# Altium PCB miniBackplane.PcbDoc (part 2 of 24)
Units mil, origin at the board's own origin, x right, y up, seen from the top; angles counter-clockwise.
Board outline 17285.63 x 8582.68 mil, 6 copper layers (Top Layer, Mid-Layer 1, GND, PWR, Mid-Layer 2, Bottom Layer), stack 62.362 mil thick; 519 components, 474 nets, 2434 pads, 1493 vias.
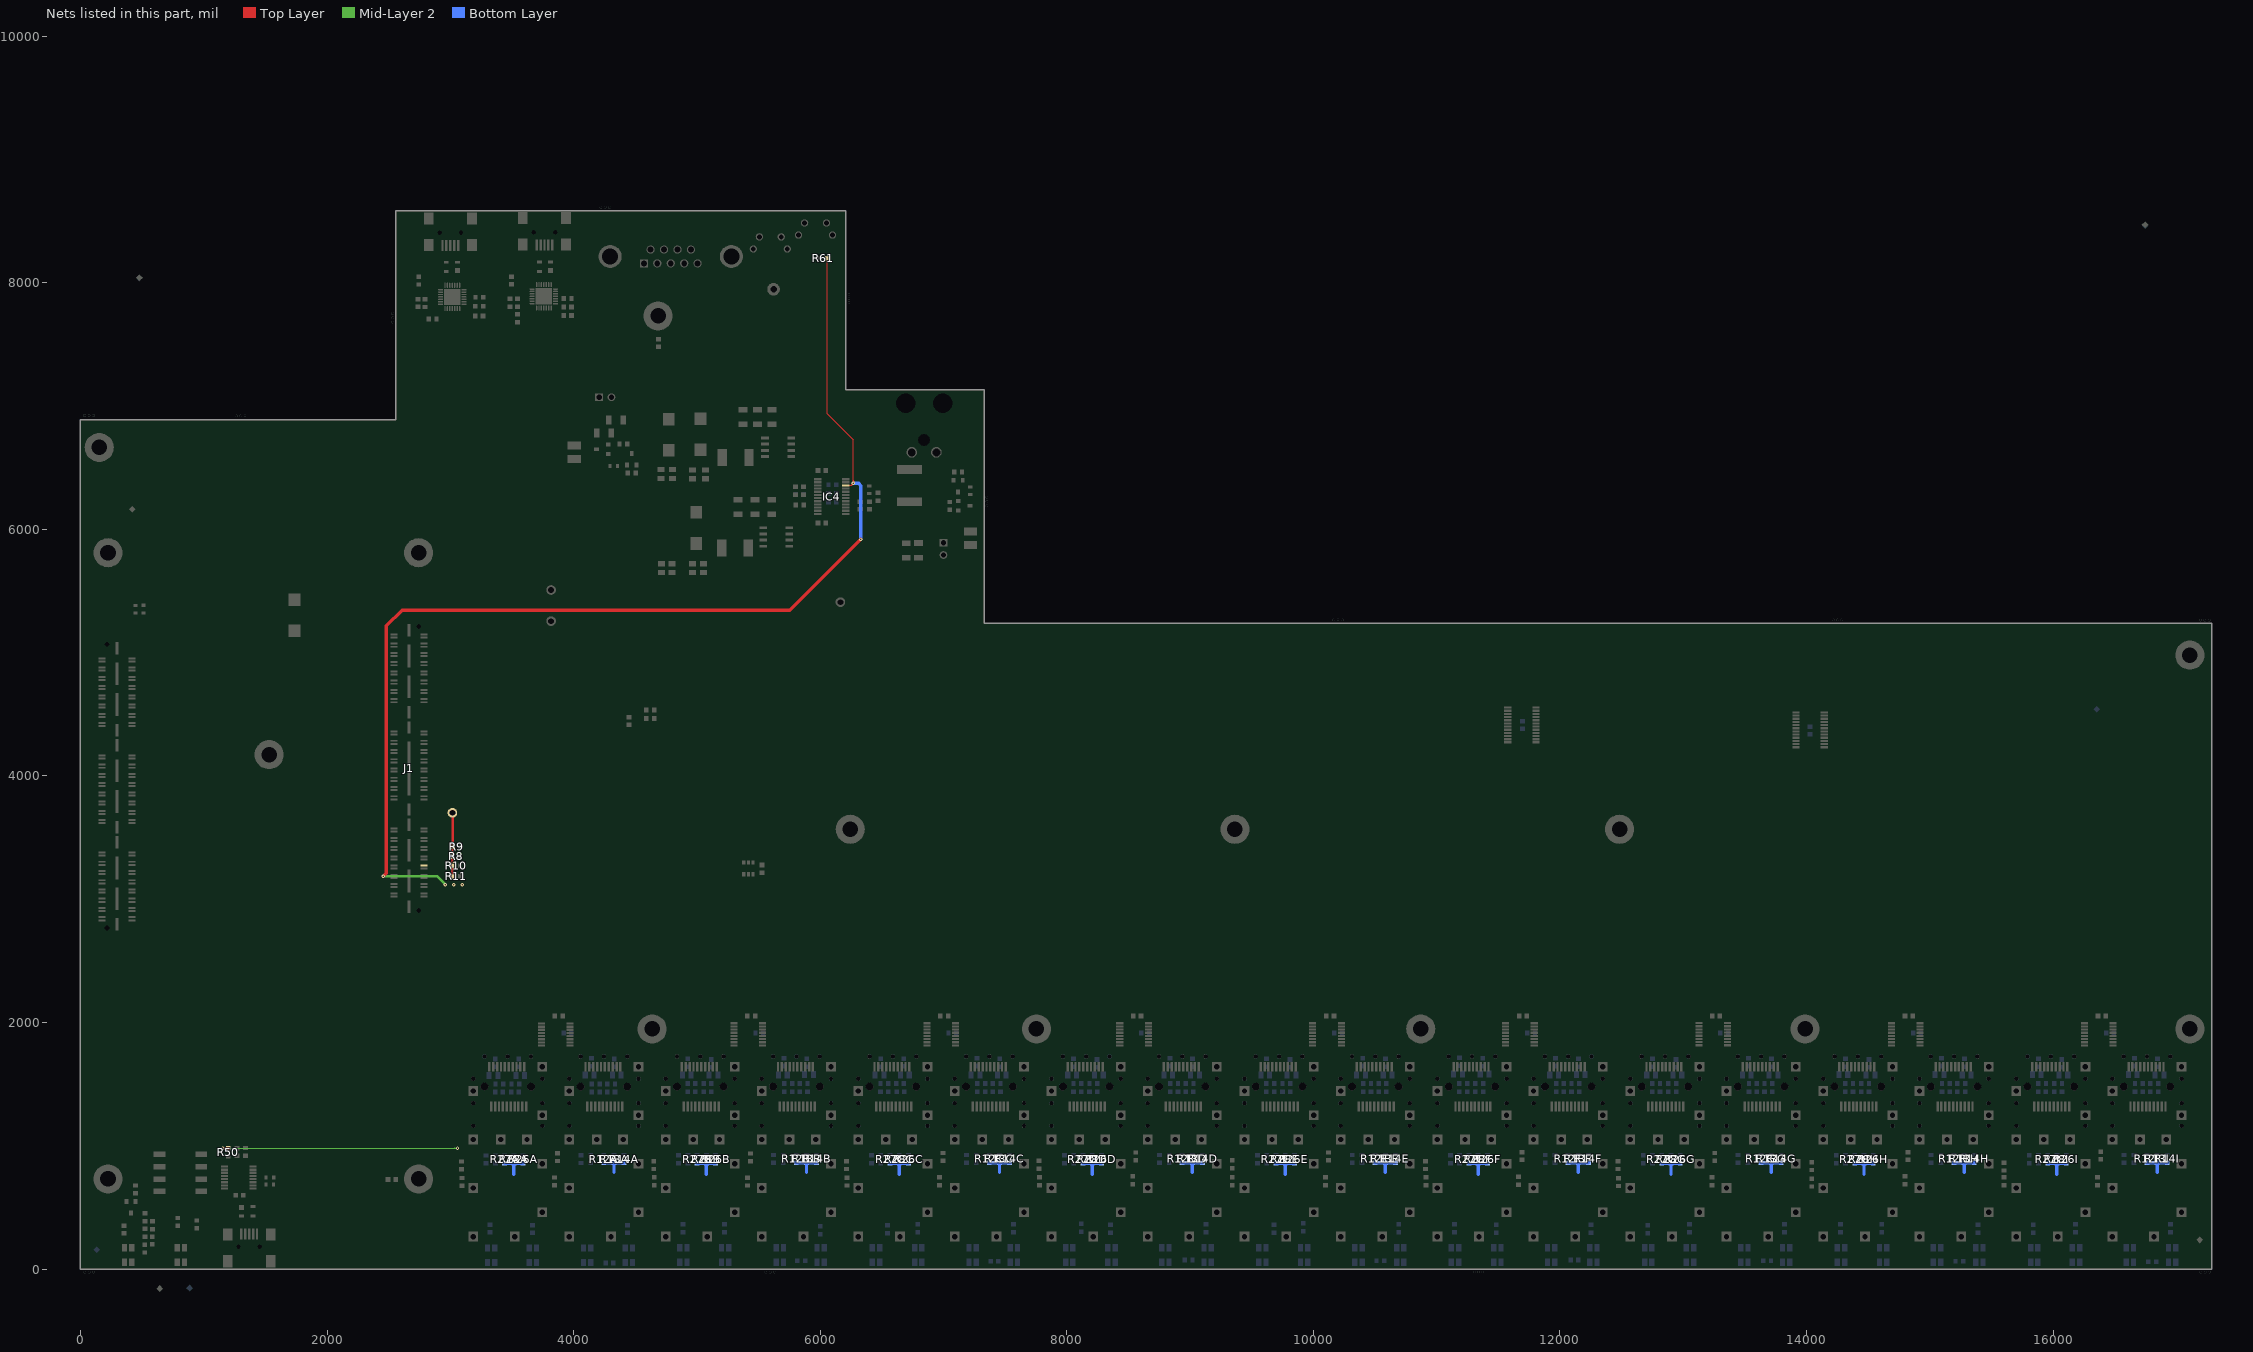
[diagram p6: the nets of this part, all layers, seen from the top]

## Components (designator, comment, footprint, x,y, rotation, side; value= is the part's Value field where it differs from the comment) (continued)
R66 "0R" 0603#2 1537,743 r0 top
R67 "0R" 0603#2 1536,686 r0 top
R68 "0R" 0603#2 446,5352 r270 top
R69 "0R" 0603#2 511,5353 r270 top
S1 "219-4MST" NHDS-8 980,630 r180 top
S2 "MCDTSA6-5K" MCDTSA6 6051,8485 r180 top locked
S3 "MCDTSA6-2R" MCDTSA6 5684,8372 r180 top locked
T1 "IRF9910Pbf" SOIC127P600X175-8N 5644.2,5937.87 r180 top
T2 "IRF9910Pbf" SOIC127P600X175-8N 5658.83,6665.94 r180 top
U1 "PCA9554PW" SOP65P640X120-16N 1285,742 r0 top
U3A "PCA9554PW" SOP65P640X120-16N 3854.67,1901.96 r0 top (schematic designator U3)
U3B "PCA9554PW" SOP65P640X120-16N 5416.13,1903.61 r0 top (schematic designator U3)
U3C "PCA9554PW" SOP65P640X120-16N 6981.13,1903.62 r0 top (schematic designator U3)
U3D "PCA9554PW" SOP65P640X120-16N 8546.13,1903.62 r0 top (schematic designator U3)
U3E "PCA9554PW" SOP65P640X120-16N 10111.13,1903.62 r0 top (schematic designator U3)
U3F "PCA9554PW" SOP65P640X120-16N 11675.69,1903.62 r0 top (schematic designator U3)
U3G "PCA9554PW" SOP65P640X120-16N 13244.07,1905.52 r0 top (schematic designator U3)
U3H "PCA9554PW" SOP65P640X120-16N 14805.69,1903.62 r0 top (schematic designator U3)
U3I "PCA9554PW" SOP65P640X120-16N 16370.69,1903.62 r0 top (schematic designator U3)

## Footprints (in the part's own frame and the unit in brackets; to place one, negate y for a bottom-side part, rotate by r counter-clockwise, add the part's x,y. Pads: shape width x height; smd on the part's side, far side on the other; paste and mask are expansions set on the pad)
0603#1 [mm] "Chip Resistor, EIA 0603, Metric 1608, Body 1.6x0.8mm, IPC Medium Density"
  rect 0.9x1 smd: 1(-0.8,0) 2(0.8,0)
  silkscreen extent 0,-0.5 0,0.5, body extent -0.87,-0.47 0.88,0.48, height 0.55
0603#2 [mm]
  rect 0.65x0.85 smd: 1(-0.775,0) 2(0.775,0)
  silkscreen extent -1.3,-0.61 1.27,0.61, body extent -0.87,-0.47 0.88,0.48, height 0.55
CC1608-0603 [mm] "Chip Capacitor, Body 1.6x0.8mm IPC Medium Density"
  rect 0.95x1 smd: 1(-0.8,0) 2(0.8,0)
  silkscreen extent 0,-0.5 0,0.5, body extent -0.87,-0.48 0.87,0.48, height 0.87
CC2012-0805 [mm] "Chip Capacitor, Body 2.0x1.25mm, IPC Medium Density"
  rect 1.05x1.4 smd: 1(-0.9,0) 2(0.9,0)
  silkscreen extent 0,-0.7 0,0.7, body extent -1.05,-0.67 1.05,0.68, height 1.25
CC3216-1206 [mm] "Chip Capacitor, Body 3.2x1.6mm, IPC Medium Density"
  rect 1.15x1.8 smd: 1(-1.5,0) 2(1.5,0)
  silkscreen extent -0.5,-0.9 0.5,0.9, body extent -1.7,-0.9 1.7,0.9, height 1.4
CR3225-1210 [mm]
  rect 1.6x2.7 smd: 1(-1.4,0) 2(1.4,0)
  silkscreen extent -2.6,-1.75 2.6,1.75
D [mm] "Capacitor, SM Tantalum; Body 7.3 x 4.3 mm (LxW typ)"
  rect 2.6x2.4 smd: 1(3.2,0) 2(-3.2,0)
  silkscreen extent -3.8,-2.42 4.57,2.3
DO-214AB/SMB-MCC [mil] "Diode footprint"
  rect 70.08x200 smd: 1(130,0) 2(-130,0)
  silkscreen extent -123,-122 122,122
DSUB1.385-2H9 [mm] "Connector; D Subminiature; 9 Position; Right Angle; Pitch 1.385 mm"
  rect 1.69x1.69 hole 1.2: 1(-5.54,-10.92)
  round 1.69 hole 1.2: 2(-2.77,-10.92) 3(0,-10.92) 4(2.77,-10.92) 5(5.54,-10.92) 6(-4.155,-8.08) 7(-1.385,-8.08) 8(1.385,-8.08) 9(4.155,-8.08)
  round 4.76 hole 3.26: 10(-12.495,-9.5) 11(12.495,-9.5)
  silkscreen extent -15.4,-12.4 15.4,6
FIDUCIAL_TOP_S100-200#1 [mm] "Scare Fiducial Target, Top Layer, 1.0mm, Top Sloder 2.0mm, Keepout =2.0mm"
  rect 1x1 smd rot 45 paste-0.51 mask+0.5: 1(0,0)
  Top Layer keep-out region: 1.414,0 0,-1.414 -1.414,0 0,1.414
FIDUCIAL_TOP_S100-200#2 [mm] "Scare Fiducial Target, Top Layer, 1.0mm, Top Sloder 2.0mm, Keepout =2.0mm"
  rect 1x1 smd rot 45 paste-0.51 mask+0.102: 1(0,0)
  Top Layer keep-out region: 1.414,0 0,-1.414 -1.414,0 0,1.414
IHLP2525 [mm]
  rect 1.9x3.5 smd: 1(-2.75,0) 2(2.75,0)
  silkscreen extent -3.4,-3.3 3.45,3.2
LED_DIALIGHT_591-3x0x-0xx [mm] "Bi-Color LED SMD Right Angle, Body 4.3mmx6.1mm"
  rect 1.5x1.1 smd: 1(1.5,-0.75) 2(-1.5,-0.75) 3(1.5,0.75) 4(-1.5,0.75)
  silkscreen extent -5.81,-2.2 3.05,2.2
MCDTSA6 [mm] "SPNO Right Angle Switch, 6mm x 6mm"
  round 1.5 hole 1: 1(0,0) 2(4.5,0) 3(-1.25,2.5) 4(5.75,2.5)
  silkscreen extent -1.8,-7.41 6.24,4
NHDS-8 [mm]
  rect 2.44x1.12 smd: 1(0,0) 2(0,-2.54) 3(0,-5.08) 4(0,-7.62) 5(8.61,-7.62) 6(8.61,-5.08) 7(8.61,-2.54) 8(8.61,0)
  silkscreen extent 1.83,-8.87 6.78,1.26
PIN1-RT-01T-1.0B(LF) [mm] "PCB Test Point 1.35mm Hole Diameter 11.1mm Height"
  round 2.6 hole 1.35: 1(0,0)
  silkscreen extent -1.7,-1.7 1.7,1.7
QFN50P500X500X100-29N-S335 [mm] "QFN, 0.50mm Pitch, Square; 28 pin, 5.00mm L X 5.00mm W X 1.00mm H body (w/thermal tab 3.35 X 3.35mm),  IPC Medium Density"
  oval 1.05x0.3 smd: 1(-2.4,1.5) 2(-2.4,1) 3(-2.4,0.5) 4(-2.4,0) 5(-2.4,-0.5) 6(-2.4,-1) 7(-2.4,-1.5) 15(2.4,-1.5) 16(2.4,-1) 17(2.4,-0.5) 18(2.4,0) 19(2.4,0.5) 20(2.4,1) 21(2.4,1.5)
  oval 0.3x1.05 smd: 8(-1.5,-2.4) 9(-1,-2.4) 10(-0.5,-2.4) 11(0,-2.4) 12(0.5,-2.4) 13(1,-2.4) 14(1.5,-2.4) 22(1.5,2.4) 23(1,2.4) 24(0.5,2.4) 25(0,2.4) 26(-0.5,2.4) 27(-1,2.4) 28(-1.5,2.4)
  rect 3.35x3.35 smd: 29(0,0)
  silkscreen extent -3.62,-2.5 2.5,2.5, body extent -2.5,-2.5 2.5,2.5, height 1
QTS-048-XX-X-D-DP-A [mm] "0.635mm pitch, 110 pin, terminal assembly; 48 differential pairs, high speed, double row, SMT"
  rect 0.4x1.45 smd mask+0: 1(-27.622,3.086) 2(-27.622,-3.086) 3(-26.987,3.086) 4(-26.987,-3.086) 5(-25.717,3.086) 6(-25.717,-3.086) 7(-25.082,3.086) 8(-25.082,-3.086) 9(-23.812,3.086) 10(-23.812,-3.086) 11(-23.177,3.086) 12(-23.177,-3.086) 13(-21.907,3.086) 14(-21.907,-3.086) 15(-21.273,3.086) 16(-21.273,-3.086) 17(-20.002,3.086) 18(-20.002,-3.086) 19(-19.367,3.086) 20(-19.367,-3.086) 21(-18.098,3.086) 22(-18.098,-3.086) 23(-17.462,3.086) 24(-17.462,-3.086) 25(-16.192,3.086) 26(-16.192,-3.086) 27(-15.557,3.086) 28(-15.557,-3.086) 29(-14.287,3.086) 30(-14.287,-3.086) 31(-13.652,3.086) 32(-13.652,-3.086) 33(-7.62,3.086) 34(-7.62,-3.086) 35(-6.985,3.086) 36(-6.985,-3.086) 37(-5.715,3.086) 38(-5.715,-3.086) 39(-5.08,3.086) 40(-5.08,-3.086) 41(-3.81,3.086) 42(-3.81,-3.086) 43(-3.175,3.086) 44(-3.175,-3.086) 45(-1.905,3.086) 46(-1.905,-3.086) 47(-1.27,3.086) 48(-1.27,-3.086) 49(0,3.086) 50(0,-3.086) 51(0.635,3.086) 52(0.635,-3.086) 53(1.905,3.086) 54(1.905,-3.086) 55(2.54,3.086) 56(2.54,-3.086) 57(3.81,3.086) 58(3.81,-3.086) 59(4.445,3.086) 60(4.445,-3.086) 61(5.715,3.086) 62(5.715,-3.086) 63(6.35,3.086) 64(6.35,-3.086) 65(12.383,3.086) 66(12.383,-3.086) 67(13.018,3.086) 68(13.018,-3.086) 69(14.287,3.086) 70(14.287,-3.086) 71(14.922,3.086) 72(14.922,-3.086) 73(16.192,3.086) 74(16.192,-3.086) 75(16.828,3.086) 76(16.828,-3.086) 77(18.098,3.086) 78(18.098,-3.086) 79(18.732,3.086) 80(18.732,-3.086) 81(20.002,3.086) 82(20.002,-3.086) 83(20.637,3.086) 84(20.637,-3.086) 85(21.907,3.086) 86(21.907,-3.086) 87(22.543,3.086) 88(22.543,-3.086) 89(23.812,3.086) 90(23.812,-3.086) 91(24.447,3.086) 92(24.447,-3.086) 93(25.717,3.086) 94(25.717,-3.086) 95(26.352,3.086) 96(26.352,-3.086)
  rect 2.55x0.65 smd mask+0: 97(-28.448,0) 100(-11.557,0) 101(-8.445,0) 104(8.445,0) 105(11.557,0) 108(28.448,0)
  rect 4.7x0.65 smd mask+0: 98(-23.177,0) 99(-16.828,0) 102(-3.175,0) 103(3.175,0) 106(16.828,0) 107(23.177,0)
  round 0.5 hole 1 unplated mask+0: 109(-29.242,2.032) 110(29.242,2.032)
  Keep-Out Layer pour cut-out: -28.435,2.032 -28.463,2.241 -28.543,2.435 -28.671,2.603 -28.839,2.731 -29.033,2.811 -29.242,2.839 -29.451,2.811 -29.645,2.731 -29.813,2.603 -29.941,2.435 -30.021,2.241 -30.049,2.032 -30.021,1.823 -29.941,1.629 -29.813,1.461 -29.645,1.333 -29.451,1.253 -29.242,1.225 -29.033,1.253 -28.839,1.333 -28.671,1.461 -28.543,1.629 -28.463,1.823
  Keep-Out Layer pour cut-out: 30.049,2.032 30.021,2.241 29.941,2.435 29.813,2.603 29.645,2.731 29.451,2.811 29.242,2.839 29.033,2.811 28.839,2.731 28.671,2.603 28.543,2.435 28.463,2.241 28.435,2.032 28.463,1.823 28.543,1.629 28.671,1.461 28.839,1.333 29.033,1.253 29.242,1.225 29.451,1.253 29.645,1.333 29.813,1.461 29.941,1.629 30.021,1.823
  silkscreen extent -30,-3 30,3.73
SC-59-3 [mm]
  rect 1x0.8 smd: 1(-1.2,0.95) 2(1.2,0) 3(-1.2,-0.95)
  silkscreen extent -1.32,-1.5 0.85,1.93, body extent -0.82,-1.5 0.85,1.51, height 1.12
SFP_SINGLE_PORT [mm]
  rect 0.5x2 smd: 1(3.73,-3.2) 2(4.53,-3.2) 3(5.33,-3.2) 4(6.13,-3.2) 5(6.93,-3.2) 6(7.73,-3.2) 7(8.53,-3.2) 8(9.33,-3.2) 9(10.13,-3.2) 10(10.93,-3.2) 11(10.53,5) 12(9.73,5) 13(8.93,5) 14(8.13,5) 15(7.33,5) 16(6.53,5) 17(5.73,5) 18(4.93,5) 19(4.13,5) 20(3.33,5)
  rect 2x2 hole 1.1: 21(0,0) 22(14.25,5) 23(14.25,-5) 24(0,-10) 25(5.68,-10) 26(11.08,-10) 27(14.25,-15) 28(0,-20) 29(14.25,-25) 30(0,-30) 31(8.58,-30)
  round 0.9 hole 0.9 unplated: ""(0,-7.2) ""(0,-2.5) ""(0,2.5) ""(2.33,7.1) ""(7.13,7.1) ""(11.93,7.1) ""(14.25,-7.2) ""(14.25,-2.5) ""(14.25,2.5)
  round 1.6 hole 1.6 unplated: ""(2.33,0.9) ""(11.93,0.9)
  Top Layer pour cut-out: 1.016,6.858 3.556,6.858 3.556,7.874 5.461,7.874 5.461,6.858 8.382,6.858 8.382,7.874 10.287,7.874 10.287,6.858 13.208,6.858 13.208,-7.747 1.016,-7.747
  Top Layer keep-out region: 1.524,1.905 2.794,1.905 2.794,4.572 1.524,4.572
  Top Layer keep-out region: 1.524,-3.302 3.048,-3.302 3.048,-0.127 1.524,-0.127
  Top Layer keep-out region: 11.43,-3.302 12.7,-3.302 12.7,-0.127 11.43,-0.127
  Top Layer keep-out region: 11.176,1.905 12.7,1.905 12.7,4.572 11.176,4.572
  silkscreen extent -1.34,-36.42 15.61,7.87
SOIC127P600X175-8N [mm] "SOIC 8, Pitch 1.27mm - Body 4x5mm, IPC Medium Density"
  rect 1.55x0.6 smd: 1(-2.7,1.905) 2(-2.7,0.635) 3(-2.7,-0.635) 4(-2.7,-1.905) 5(2.7,-1.905) 6(2.7,-0.635) 7(2.7,0.635) 8(2.7,1.905)
  silkscreen extent -2.53,-2.5 1.55,2.88, body extent -3.1,-2.5 3.1,2.5, height 1.75
SOP65P640X120-16N [mm] "SOP, 0.65mm pitch; 16 pin, 4.40mm W X 5.00mm L X 1.20mm H body IPC Medium Density"
  rect 1.45x0.45 smd: 1(-2.95,2.275) 2(-2.95,1.625) 3(-2.95,0.975) 4(-2.95,0.325) 5(-2.95,-0.325) 6(-2.95,-0.975) 7(-2.95,-1.625) 8(-2.95,-2.275) 9(2.95,-2.275) 10(2.95,-1.625) 11(2.95,-0.975) 12(2.95,-0.325) 13(2.95,0.325) 14(2.95,0.975) 15(2.95,1.625) 16(2.95,2.275)
  silkscreen extent -3.07,-2.55 1.85,3.17, body extent -3.12,-2.55 3.12,2.55, height 1.2
SOP65P640X120-24N [mm] "SOP, 0.65mm Pitch; 24 Pin, 4.40mm W X 7.80mm L X 1.20mm H Body, IPC Medium Density"
  rect 1.5x0.45 smd: 1(-2.9,3.575) 2(-2.9,2.925) 3(-2.9,2.275) 4(-2.9,1.625) 5(-2.9,0.975) 6(-2.9,0.325) 7(-2.9,-0.325) 8(-2.9,-0.975) 9(-2.9,-1.625) 10(-2.9,-2.275) 11(-2.9,-2.925) 12(-2.9,-3.575) 13(2.9,-3.575) 14(2.9,-2.925) 15(2.9,-2.275) 16(2.9,-1.625) 17(2.9,-0.975) 18(2.9,-0.325) 19(2.9,0.325) 20(2.9,0.975) 21(2.9,1.625) 22(2.9,2.275) 23(2.9,2.925) 24(2.9,3.575)
  silkscreen extent -3.53,-3.9 1.83,4.42, body extent -3.12,-3.95 3.12,3.95, height 1.2
SOT23A-6L [mm] "SOT23, 6-Leads, Body 2.9x1.7mm, Pitch 0.95mm, Lead Span 2.8mm, IPC High Density"
  rect 0.9x0.65 smd: 1(-1.2,0.95) 2(-1.2,0) 3(-1.2,-0.95) 4(1.2,-0.95) 5(1.2,0) 6(1.2,0.95)
  silkscreen extent -1.32,-1.55 0.35,1.95, body extent -0.9,-1.55 0.9,1.55, height 1.45
SOT190P230X110-4N [mm] "SOT143, SOT, 1.90mm Pitch; 4 Pin, 1.30mm W X 2.90mm L X 1.10mm H body, IPC Medium Density"
  rect 1x1 smd: 1(-1.15,0.75)
  rect 1x0.6 smd: 2(-1.15,-0.95) 3(1.15,-0.95) 4(1.15,0.95)
  silkscreen extent -1.52,-1.45 0.33,1.87, body extent -1.25,-1.5 1.25,1.5, height 1.1
TYCO_794120_1 [mm] "CONN HEADER PIN RT/ANG 2POS TIN"
  round 2.2 hole 1.6: 1(1.27,-10.16) 2(6.35,-10.16)
  round 0 hole 2.54 unplated mask+1.1: 3(3.81,-7.62)
  round 1 hole 4 unplated mask+1.1: 4(0,0) 5(7.62,0)
  silkscreen extent -3.84,-11.55 11.49,2.3
TYCO_1734035-1 [mm] "SMD, Right Angle, 5 Position, Type B, Mini USB Receptacle"
  rect 0.5x2.3 smd: 1(-1.6,0) 2(-0.8,0) 3(0,0) 4(0.8,0) 5(1.6,0)
  rect 2x2.5 smd: 6(-4.45,-0.1) 6(-4.45,-5.6) 6(4.45,-0.1) 6(4.45,-5.6)
  round 0.5 hole 0.9 unplated mask+0.2: MTG1(-2.2,-2.6) MTG2(2.2,-2.6)
  silkscreen extent -4.35,-8.5 4.35,0.7, body extent -4.95,-8.5 4.95,0.7, height 4.14
Wurth_619_0xx [mm] "CONN LOCKING HEADER 2POS .100 VERT"
  rect 1.6x1.6 hole 1.1: 1(0,0)
  round 1.6 hole 1.1: 2(2.54,0)
  silkscreen extent -1.27,-3.2 3.82,2.85

## Part data
C1 C2 C3A C3B C3C C3D C3E C3F C3G C3H C3I C5A C5B C5C C5D C5E C5F C5G C5H C5I C6A C6B C6C C6D C6E C6F C6G C6H C6I C9A C9B C9C C9D C9E C9F C9G C9H C9I C10A C10B C10C C10D C10E C10F C10G C10H C10I C12A C12B C12C C12D C12E C12F C12G C12H C12I C13A C13B C13C C13D C13E C13F C13G C13H C13I C17 C25 C38 C55 C57 C58: library part CC0603_100NF_16V_10%_X7R, "Capacitor"
C4A C4B C4C C4D C4E C4F C4G C4H C4I C8A C8B C8C C8D C8E C8F C8G C8H C8I C11A C11B C11C C11D C11E C11F C11G C11H C11I C15A C15B C15C C15D C15E C15F C15G C15H C15I: library part CC0805_10UF_16V_10%_X5R, "Capacitor"
C7A C7B C7C C7D C7E C7F C7G C7H C7I C14A C14B C14C C14D C14E C14F C14G C14H C14I: library part CC0603_10UF_6.3V_20%_X5R, "Capacitor"
C16 C28 C33 C56: library part CC0603_1UF_25V_10%_X5R, "Capacitor"
C18 C19 C20 C29 C30 C32 C43 C44 C45 C46: library part CC1206_22UF_25V_10%_X5R, "Capacitor"
C21 C22 C23 C24: library part CC0805_22UF_16V_10%_X5R, "Capacitor"
C26 C27 C39 C40: library part CP2917_220UF_10V_20%_TANT, "Polarized Capacitor Tantalum"
C31: library part CC0603_4.7UF_10V_10%_X5R, "Capacitor"
C34 C35 C36 C37: library part CC0805_22UF_6.3V_20%_X5R, "Capacitor"
C41: library part CC0603_O.C., "Capacitor"
D1: "Schottky Diode 10A 60V"
FTG1 FTG2 FTG3 FTG4 FTG5 FTG6 FTG7 FTG8 FTG9 FTG10: "Fiducial Target"
IC1 IC3 IC9: "Ultra Low Capacitance Double Rail-to-Rail ESD Protection Diode"
IC2 IC8: "Single-Chip USB to UART Bridge"
IC4: "Dual Synchronous Step-Down Controller For Low Voltage Power Rails"
IC5 IC6: "8-channel 2C-bus switch with reset"
IC7: "I2C temp. sensor"
J1 J2: library part QTS-048-01-L-D-DP, "High Speed Ground Plane Header"
J3: "Receptacle Assembly, 9 Position, Right Angle"
J4 J9: library part TYCO_1734035-1, "5 Pin + 1 Shield Mini USB Type B Receptacle"
J5 J11: library part CON2_619_0xx, "Connector"
J6: library part TYCO_1734035-1, "5 Pin + 1 Shield USB Receptacle"
J7: library part "Header 2", "Header, 2-Pin"
J8A J8B J8C J8D J8E J8F J8G J8H J8I J10A J10B J10C J10D J10E J10F J10G J10H J10I: library part SFP_SOCKET_SINGLE, "Socket for SFP module"
L1A L1B L1C L1D L1E L1F L1G L1H L1I L2A L2B L2C L2D L2E L2F L2G L2H L2I L3A L3B L3C L3D L3E L3F L3G L3H L3I L4A L4B L4C L4D L4E L4F L4G L4H L4I L7: library part L_FERRITE_BEAD, "ferrite bead"
L5 L6: library part Inductor, "Low Profile, High Current Inductor"
LD1A LD1B LD1C LD1D LD1E LD1F LD1G LD1H LD1I LD2A LD2B LD2C LD2D LD2E LD2F LD2G LD2H LD2I LD3A LD3B LD3C LD3D LD3E LD3F LD3G LD3H LD3I LD4A LD4B LD4C LD4D LD4E LD4F LD4G LD4H LD4I: "Bi-Color LED SMD"
LD5 LD6: library part LED_DIALIGHT_591-3x0x, "Bi-Color LED SMD"
P1: library part Plug, "Plug"
Q1 Q2 Q5: "N-Channel Power MOSFET"
Q3 Q4: "P-Channel Enhancement MOSFET"
R1 R2 R3 R4 R5 R6 R7 R8 R9 R10 R11 R12A R12B R12C R12D R12E R12F R12G R12H R12I R13A R13B R13C R13D R13E R13F R13G R13H R13I R15A R15B R15C R15D R15E R15F R15G R15H R15I R16A R16B R16C R16D R16E R16F R16G R16H R16I R20A R20B R20C R20D R20E R20F R20G R20H R20I R26A R26B R26C R26D R26E R26F R26G R26H R26I R27A R27B R27C R27D R27E R27F R27G R27H R27I R29A R29B R29C R29D R29E R29F R29G R29H R29I R30A R30B R30C R30D R30E R30F R30G R30H R30I R31 R32 R43 R46 R47 R50 R51 R52 R59 R60 R61 R64 R65: library part R0603_4.7K_±1%_0.1W_100PPM, "SMD Resistor"
R14A R14B R14C R14D R14E R14F R14G R14H R14I R28A R28B R28C R28D R28E R28F R28G R28H R28I R39 R66 R67 R68 R69: library part R0603_0R_0.1W_JUMPER, "SMD Resistor"
R17A R17B R17C R17D R17E R17F R17G R17H R17I R22A R22B R22C R22D R22E R22F R22G R22H R22I R33 R45: library part R0603_49R9_±1%_0.25W_100PPM, "SMD Resistor"
R18A R18B R18C R18D R18E R18F R18G R18H R18I R19A R19B R19C R19D R19E R19F R19G R19H R19I R21A R21B R21C R21D R21E R21F R21G R21H R21I R23A R23B R23C R23D R23E R23F R23G R23H R23I R24A R24B R24C R24D R24E R24F R24G R24H R24I R25A R25B R25C R25D R25E R25F R25G R25H R25I R34 R44 R48 R49 R53 R54 R55 R56 R57 R58: library part R0603_133R_±1%_0.1W_100PPM, "SMD Resistor"
R35 R37 R40 R42: library part R0603_10K_±1%_0.2W_100PPM, "SMD Resistor"
R36: library part R0603_54K9_±1%_0.1W_100PPM, "SMD Resistor"
R38: library part R0603_33K_±1%_0.1W_100PPM, "SMD Resistor"
R41: library part R0603_O.C., "SMD Resistor"
R62 R63: library part R1210_1R0_±1%_1W_100PPM, "SMD Resistor"
S1: library part SW-DIP4, "4 Positions DIP SWITCH"
S2 S3: library part MCDTSA6, "Push button SPNO Right Angle Through Hole"
T1 T2: "Dual SO-8 MOSFET For POL Cconverter"
U1 U3A U3B U3C U3D U3E U3F U3G U3H U3I: library part PCA9554D, "8-bit I2C-bus SMBus I/O port with interrupt"

## Free pads (board coordinates)
  round 19.68 hole 19.68 unplated: 0(35.04,6923) 0(35.92,-25) 0(70.08,6923) 0(70.96,-25) 0(105.12,6923) 0(106,-25) 0(1264.92,6920) 0(1299.96,6920) 0(1335,6920) 0(2533,7680.92) 0(2533,7715.96) 0(2533,7751) 0(4221.92,8611) 0(4256.96,8611) 0(4292,8611) 0(5559.92,-25) 0(5594.96,-25) 0(5630,-25) 0(6234,7837.92) 0(6234,7872.96) 0(6234,7908) 0(7352,6189.92) 0(7352,6224.96) 0(7352,6260) 0(10164.92,5265) 0(10199.96,5265) 0(10235,5265) 0(11304.96,-24) 0(11340,-24) 0(11375.04,-24) 0(14216.92,5265) 0(14251.96,5265) 0(14287,5265) 0(17195.92,5263) 0(17197.92,-25) 0(17230.96,5263) 0(17232.96,-25) 0(17266,5263) 0(17268,-25)
  round 236.22 hole 125.98: ""(152.74,6664.32) ""(223.61,5809.99) ""(1530.71,4172.2) ""(2743.29,731.25) ""(2743.29,5809.99) ""(4637.4,1947.8) ""(4685,7731) ""(6244.09,3566.93) ""(7754.53,1947.8) ""(9364.17,3566.93) ""(10871.22,1947.8) ""(12484.25,3566.93) ""(13988.35,1947.8) ""(17109.43,1947.8) ""(17109.43,4979.28)
  round 236.22 hole 125.98 mask+4: ""(223.61,731.25)
  round 78.74 hole 47.24: ""(3016.73,3700.79) ""(3818,5255) ""(3818,5507.7) ""(6164,5409)

## Via types
v1: diameter 27.56, hole 11.81, Top Layer to Bottom Layer, tented both sides, 1347 vias
v2: diameter 23.62, hole 11.81, Top Layer to Bottom Layer, tented both sides, 146 vias

## Nets (pads, with @x,y where several pads share a name; then routed paths per layer and width w, separated by ;. In a path a pad name is that pad's centre, name@x,y a point inside that pad or via, vN(x,y) a via of type N, cw(c..) or ccw(c..) an arc to the next point about the centre after c; other vN are vias at no path point)
+2V5: IC4.10 J1.81 pad.@3016.73,3700.79 R8.2 R9.1 R10.2 R11.1 R12A.2 R12B.2 R12C.2 R12D.2 R12E.2 R12F.2 R12G.2 R12H.2 R12I.2 R13A.2 R13B.2 R13C.2 R13D.2 R13E.2 R13F.2 R13G.2 R13H.2 R13I.2 R14A.1 R14B.1 R14C.1 R14D.1 R14E.1 R14F.1 R14G.1 R14H.1 R14I.1 R26A.2 R26B.2 R26C.2 R26D.2 R26E.2 R26F.2 R26G.2 R26H.2 R26I.2 R27A.2 R27B.2 R27C.2 R27D.2 R27E.2 R27F.2 R27G.2 R27H.2 R27I.2 R28A.1 R28B.1 R28C.1 R28D.1 R28E.1 R28F.1 R28G.1 R28H.1 R28I.1 R50.2 R61.1 | length 17325.9
  Top Layer w7.87: v1@1152,980 v1(1153.5,978.5) R50.2@1199,978.5 ; R61.1@6058.5,8199 6058.5,6938.5 6269.2,6727.8 v1(6269.2,6372.87) 6251.83,6355.5 IC4.10@6208,6355.5 ; 6253.72,6358.88 ccw(c6248.85,6377.04) v1@6267.27,6373.27 ; 6255.21,6357.4 cw(c6273.36,6352.53) v1@6269.59,6370.95 ; v1@1160.22,971.3 cw(c1171.63,959.08) 1175.95,975.23 ; v1@1160.22,971.3 cw(c1171.63,959.08) 1175.95,975.23 ; v1@1160.22,971.3 cw(c1171.63,959.08) 1175.95,975.23 ; v1@1160.22,985.69 ccw(c1171.63,997.91) 1175.95,981.76 ; v1@1160.22,985.69 ccw(c1171.63,997.91) 1175.95,981.76 ; v1@1160.22,985.69 ccw(c1171.63,997.91) 1175.95,981.76 ; v1@1162.03,973.57 cw(c1174.75,966.23) 1170.95,980.42 ; v1@1162.03,973.57 cw(c1174.75,966.23) 1170.95,980.42 ; v1@1162.03,973.57 cw(c1174.75,966.23) 1170.95,980.42 ; v1@1162.03,983.42 ccw(c1174.75,990.76) 1170.95,976.57 ; v1@1162.03,983.42 ccw(c1174.75,990.76) 1170.95,976.57 ; v1@1162.03,983.42 ccw(c1174.75,990.76) 1170.95,976.57 ; v1@1163.76,978.5 ccw(c1163.76,1011.76) 1187.29,988.24 cw(c1163.76,1011.76) v1@1163.76,978.5 ; v1@1163.76,978.5 cw(c1163.76,945.23) 1187.29,968.75 ccw(c1163.76,945.23) v1@1163.76,978.5 ; 1177.27,978.5 ccw(c1177.27,954.73) 1160.46,971.54 cw(c1177.27,954.73) 1177.27,978.5 ; 1177.27,978.5 cw(c1177.27,1002.26) 1160.46,985.46 ccw(c1177.27,1002.26) 1177.27,978.5 ; 6058.5,8163.76 ccw(c6025.23,8163.76) 6048.75,8187.29 cw(c6025.23,8163.76) 6058.5,8163.76 ; 6058.5,8163.76 cw(c6091.76,8163.76) 6068.24,8187.29 ccw(c6091.76,8163.76) 6058.5,8163.76 ; 6240.55,6355.5 ccw(c6240.55,6343.62) 6232.15,6352.02 cw(c6240.55,6343.62) 6240.55,6355.5 ; 6240.55,6355.5 cw(c6240.55,6367.38) 6232.15,6358.98 ccw(c6240.55,6367.38) 6240.55,6355.5 ; 6252.39,6356.07 ccw(c6235.59,6372.87) 6259.35,6372.87 cw(c6235.59,6372.87) 6252.39,6356.07 ; 6252.39,6356.07 cw(c6269.2,6339.27) 6269.2,6363.03 ccw(c6269.2,6339.27) 6252.39,6356.07 ; 6269.2,6396.64 ccw(c6292.96,6396.64) 6276.16,6379.83 cw(c6292.96,6396.64) 6269.2,6396.64 ; 6269.2,6396.64 cw(c6245.43,6396.64) 6262.24,6379.83 ccw(c6245.43,6396.64) 6269.2,6396.64
  Top Layer w19.68: R11.1@3015.75,3185.04 R10.2@3015.75,3271.65 R8.2@3015.75,3346.46 3015.75,3421.26 R9.1@3019.68,3425.2 3019.68,3688.98 pad.@3016.73,3700.79 ; 3015.75,3206.02 ccw(c3034.76,3206.02) 3021.32,3192.58 cw(c3034.76,3206.02) 3015.75,3206.02 ; 3015.75,3206.02 cw(c2996.74,3206.02) 3010.18,3192.58 ccw(c2996.74,3206.02) 3015.75,3206.02 ; 3015.75,3250.68 ccw(c2996.74,3250.68) 3010.18,3264.12 cw(c2996.74,3250.68) 3015.75,3250.68 ; 3015.75,3250.68 cw(c3034.76,3250.68) 3021.32,3264.12 ccw(c3034.76,3250.68) 3015.75,3250.68 ; 3015.75,3292.63 ccw(c3034.76,3292.63) 3021.32,3279.19 cw(c3034.76,3292.63) 3015.75,3292.63 ; 3015.75,3292.63 cw(c2996.74,3292.63) 3010.18,3279.19 ccw(c2996.74,3292.63) 3015.75,3292.63 ; 3015.75,3325.48 ccw(c2996.74,3325.48) 3010.18,3338.92 cw(c2996.74,3325.48) 3015.75,3325.48 ; 3015.75,3325.48 cw(c3034.76,3325.48) 3021.32,3338.92 ccw(c3034.76,3325.48) 3015.75,3325.48 ; 3015.75,3367.43 ccw(c3034.76,3367.43) 3021.32,3353.99 cw(c3034.76,3367.43) 3015.75,3367.43 ; 3015.75,3367.43 cw(c2996.74,3367.43) 3010.18,3353.99 ccw(c2996.74,3367.43) 3015.75,3367.43 ; 3019.68,3446.17 ccw(c3038.69,3446.17) 3025.25,3432.73 cw(c3038.69,3446.17) 3019.68,3446.17 ; 3019.68,3446.17 cw(c3000.68,3446.17) 3014.12,3432.73 ccw(c3000.68,3446.17) 3019.68,3446.17 ; 3015.75,3394.71 cw(c3048.2,3394.71) 3025.25,3417.66 ccw(c3048.2,3394.71) 3015.75,3394.71
  Top Layer w27.56: v1(2456.69,3185.04) 2482,3210.35 2482,5217.3 2609.7,5345 5753.89,5345 v1@6328.46,5919.57
  Mid-Layer 2 w7.09: v1(1153.5,978.5) v1(3058.5,978.5) ; v1@2463.93,3177.8 cw(c2481.41,3160.33) 2481.41,3185.04 cw(c2481.41,3209.75) v1@2463.93,3192.28 ; 2941.56,3139.44 cw(c2920.23,3118.11) v1@2950.39,3118.11 ; 2947.01,3133.99 ccw(c2960.63,3147.6) v1@2960.63,3128.35 ; 2948.37,3125.66 ccw(c2963.94,3129.83) v1@2959.56,3114.32 ; 1178.22,978.5 ccw(c1178.22,953.78) 1160.74,971.26 cw(c1178.22,953.78) 1178.22,978.5 ; 1178.22,978.5 cw(c1178.22,1003.21) 1160.74,985.73 ccw(c1178.22,1003.21) 1178.22,978.5 ; 3033.78,978.5 ccw(c3033.78,1003.21) 3051.26,985.73 cw(c3033.78,1003.21) 3033.78,978.5 ; 3033.78,978.5 cw(c3033.78,953.78) 3051.26,971.26 ccw(c3033.78,953.78) 3033.78,978.5
  Mid-Layer 2 w19.68: v1(2456.69,3185.04) 2895.96,3185.04 v1@2961.76,3119.24
  Bottom Layer w27.56: R27A.2@3440.35,857.87 R28A.1@3515.35,857.87 ; 3515.35,767.65 R28A.1@3515.35,857.87 ; R26A.2@3587.76,857.87 R28A.1@3515.35,857.87 ; R12A.2@4244.67,860.46 R13A.2@4327.85,860.46 ; 4327.85,783.78 R13A.2@4327.85,860.46 ; R14A.1@4409.67,860.46 R13A.2@4327.85,860.46 ; R27B.2@5001.81,859.53 R28B.1@5076.81,859.53 ; 5076.81,769.3 R28B.1@5076.81,859.53 ; R26B.2@5149.22,859.53 R28B.1@5076.81,859.53 ; R12B.2@5806.13,862.12 R13B.2@5889.31,862.12 ; 5889.31,785.43 R13B.2@5889.31,862.12 ; R14B.1@5971.13,862.12 R13B.2@5889.31,862.12 ; v1(6269.2,6372.87) 6312.17,6372.87 6330.43,6354.61 v1(6330.43,5917.61) ; R27C.2@6566.81,859.54 R28C.1@6641.81,859.54 ; 6641.81,769.31 R28C.1@6641.81,859.54 ; R26C.2@6714.22,859.54 R28C.1@6641.81,859.54 ; R12C.2@7371.13,862.13 R13C.2@7454.31,862.13 ; 7454.31,785.44 R13C.2@7454.31,862.13 ; R14C.1@7536.13,862.13 R13C.2@7454.31,862.13 ; R27D.2@8131.81,859.54 R28D.1@8206.81,859.54 ; 8206.81,769.31 R28D.1@8206.81,859.54 ; R26D.2@8279.22,859.54 R28D.1@8206.81,859.54 ; R12D.2@8936.13,862.13 R13D.2@9019.31,862.13 ; 9019.31,785.44 R13D.2@9019.31,862.13 ; R14D.1@9101.13,862.13 R13D.2@9019.31,862.13 ; R27E.2@9696.81,859.54 R28E.1@9771.81,859.54 ; 9771.81,769.31 R28E.1@9771.81,859.54 ; R26E.2@9844.22,859.54 R28E.1@9771.81,859.54 ; R12E.2@10501.13,862.13 R13E.2@10584.31,862.13 ; 10584.31,785.44 R13E.2@10584.31,862.13 ; R14E.1@10666.13,862.13 R13E.2@10584.31,862.13 ; R27F.2@11261.38,859.54 R28F.1@11336.38,859.54 ; 11336.38,769.31 R28F.1@11336.38,859.54 ; R26F.2@11408.79,859.54 R28F.1@11336.38,859.54 ; R12F.2@12065.69,862.13 R13F.2@12148.88,862.13 ; 12148.88,785.44 R13F.2@12148.88,862.13 ; R14F.1@12230.69,862.13 R13F.2@12148.88,862.13 ; R27G.2@12826.38,859.54 R28G.1@12901.38,859.54 ; 12901.38,769.31 R28G.1@12901.38,859.54 ; R26G.2@12973.79,859.54 R28G.1@12901.38,859.54 ; R12G.2@13630.69,862.13 R13G.2@13713.88,862.13 ; 13713.88,785.44 R13G.2@13713.88,862.13 ; R14G.1@13795.69,862.13 R13G.2@13713.88,862.13 ; R27H.2@14391.38,859.54 R28H.1@14466.38,859.54 ; 14466.38,769.31 R28H.1@14466.38,859.54 ; R26H.2@14538.79,859.54 R28H.1@14466.38,859.54 ; R12H.2@15195.69,862.13 R13H.2@15278.88,862.13 ; 15278.88,785.44 R13H.2@15278.88,862.13 ; R14H.1@15360.69,862.13 R13H.2@15278.88,862.13 ; R27I.2@15956.38,859.54 R28I.1@16031.38,859.54 ; 16031.38,769.31 R28I.1@16031.38,859.54 ; R26I.2@16103.79,859.54 R28I.1@16031.38,859.54 ; R12I.2@16760.69,862.13 R13I.2@16843.88,862.13 ; 16843.88,785.44 R13I.2@16843.88,862.13 ; R14I.1@16925.69,862.13 R13I.2@16843.88,862.13
  other v1: 2960.63,3118.11 3029.53,3118.11 3098.43,3118.11